# Altium PCB PCB.PcbDoc (part 2 of 2)
Units mm, origin at the board's own origin, x right, y up, seen from the top; angles counter-clockwise.
Board outline 100.25 x 95.41 mm, 2 copper layers (Top Layer, Bottom Layer); 195 components, 140 nets, 719 pads, 378 vias.
Unrouted connection lines stored in the file: 2.
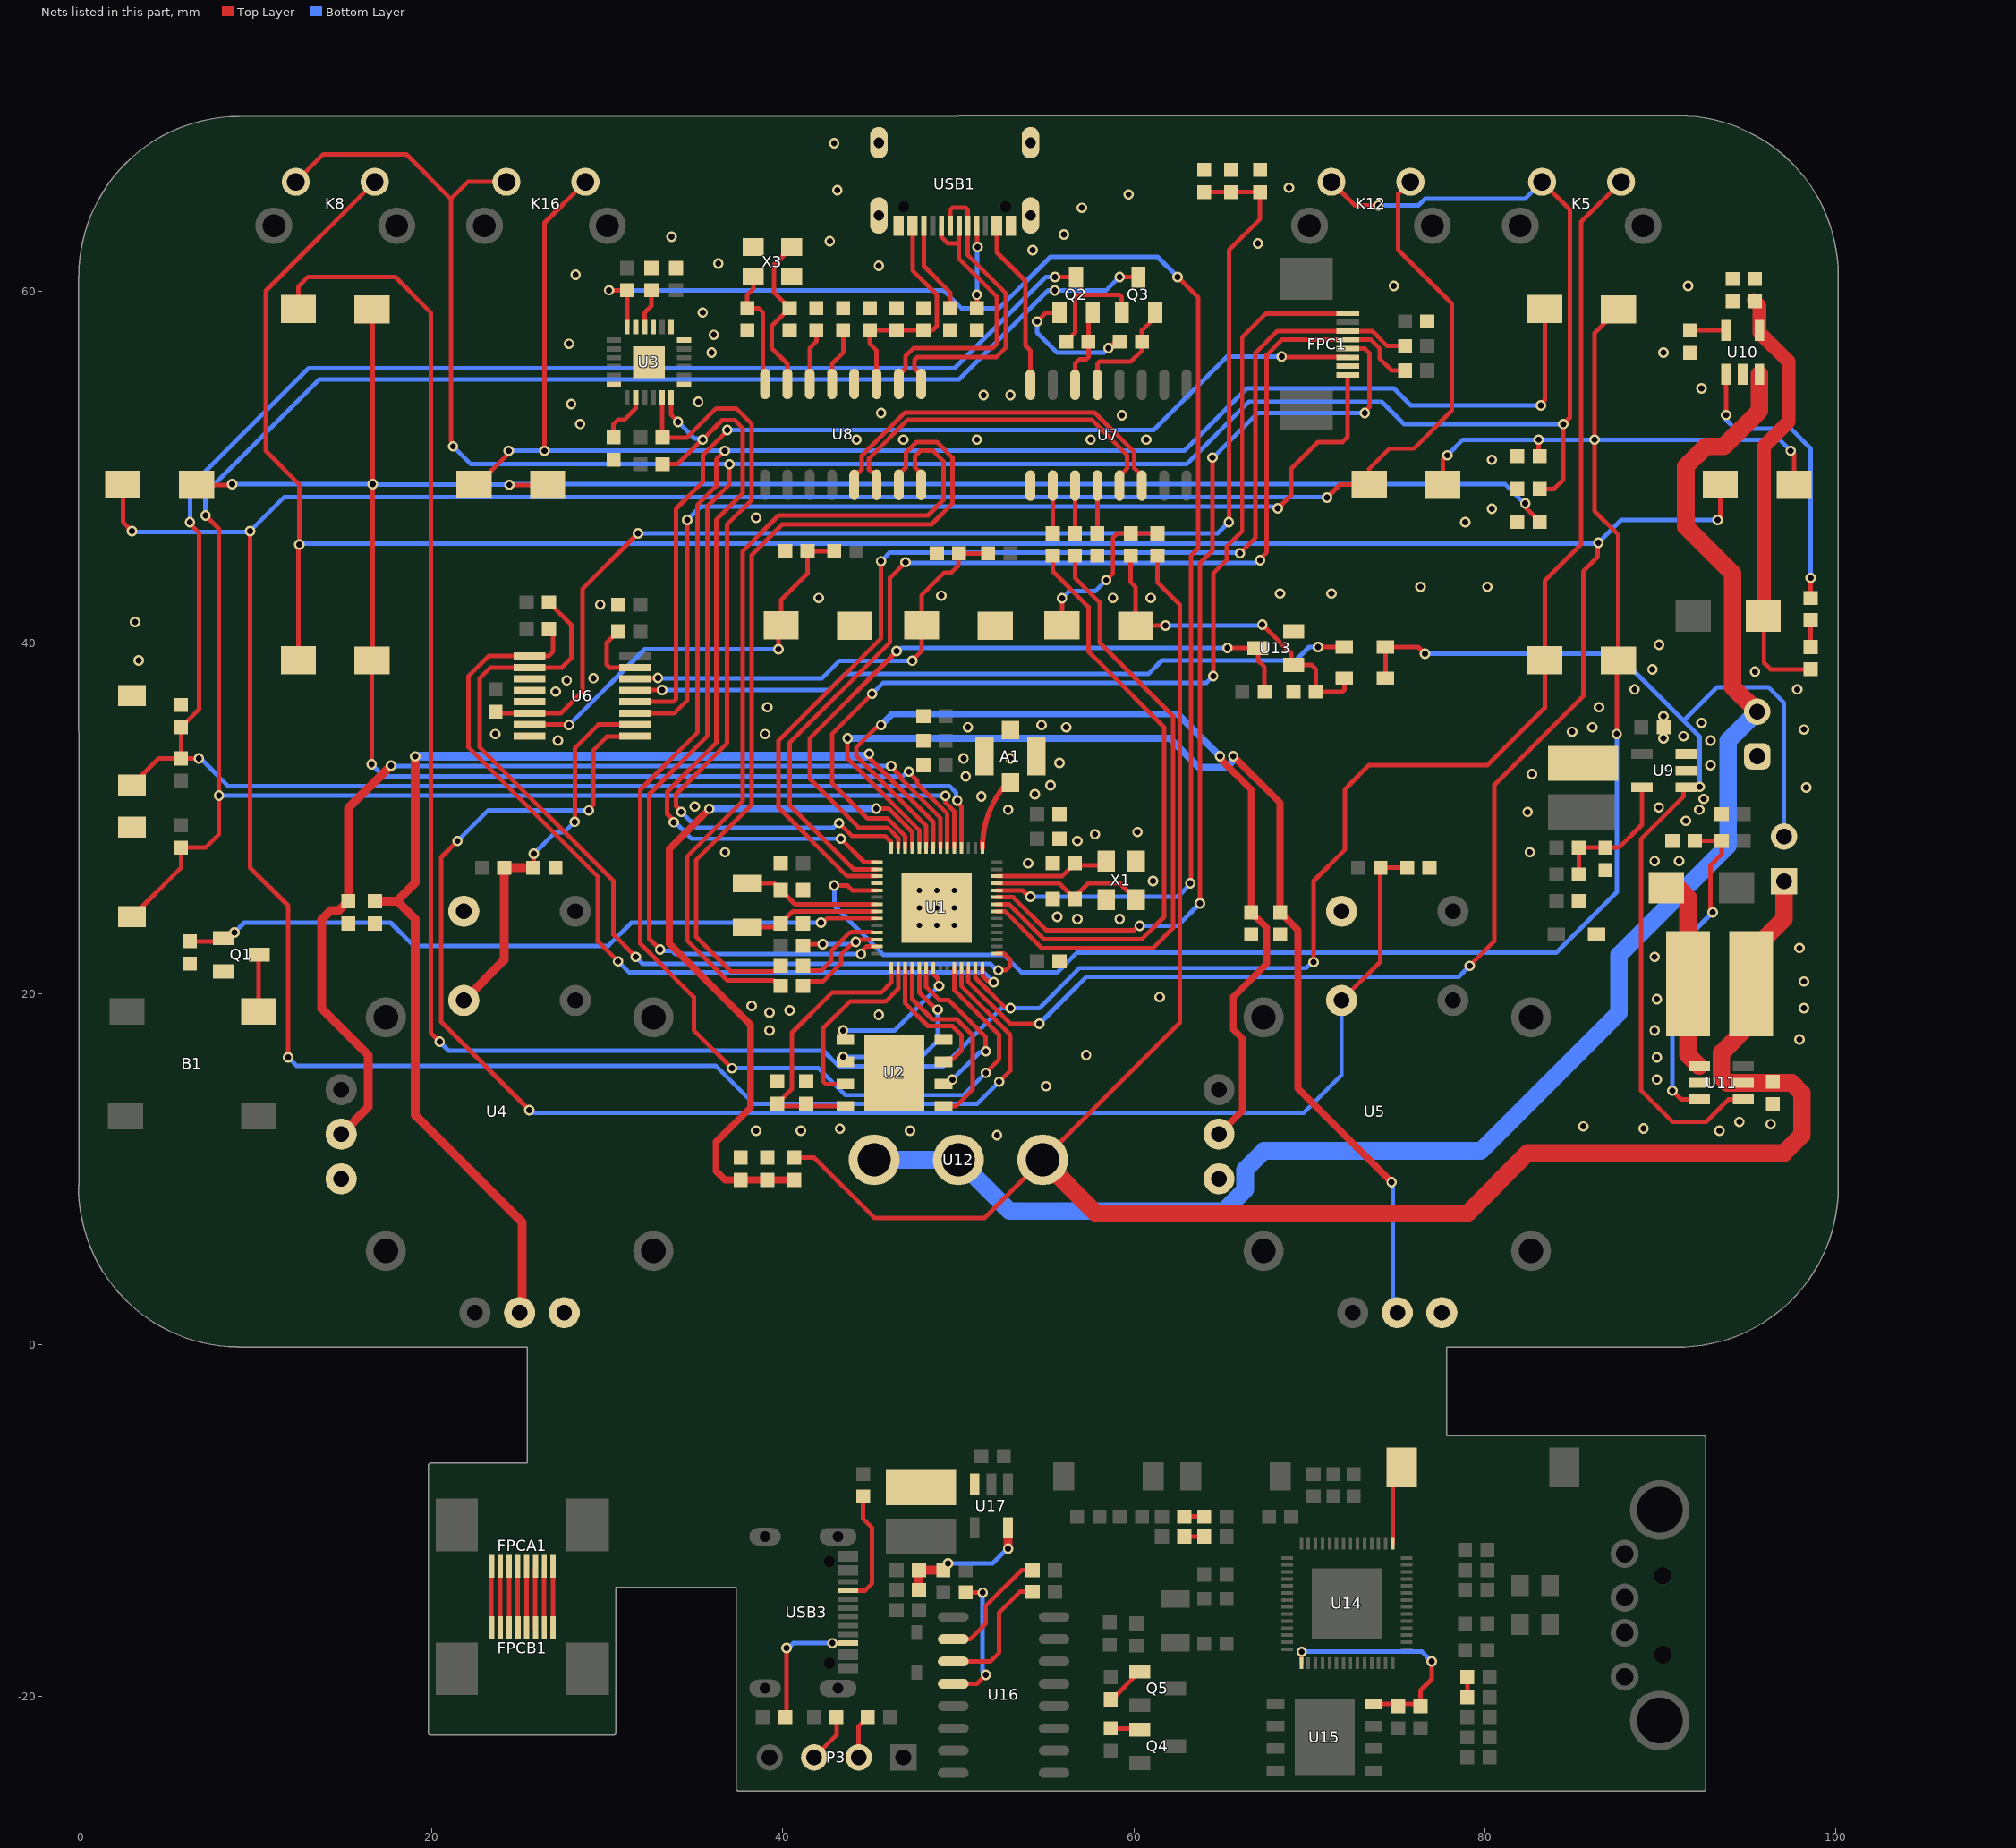
[diagram p2: the nets of this part, all layers, seen from the top]

## Via types
v1: diameter 0.6, hole 0.35, Top Layer to Bottom Layer, tented both sides, 343 vias
v2: diameter 0.8, hole 0.5, Top Layer to Bottom Layer, tented both sides, 16 vias
v3: diameter 0.61, hole 0.305, Top Layer to Bottom Layer, 9 vias
v4: diameter 0.61, hole 0.305, Top Layer to Bottom Layer, tented both sides, 9 vias
v5: diameter 1.27, hole 0.711, Top Layer to Bottom Layer, tented both sides, 1 vias

## Nets (pads, with @x,y where several pads share a name; then routed paths per layer and width w, separated by ;. In a path a pad name is that pad's centre, name@x,y a point inside that pad or via, vN(x,y) a via of type N, cw(c..) or ccw(c..) an arc to the next point about the centre after c; other vN are vias at no path point) (continued)
ADC_BAT: C47.2 R34.1 R37.2 U1.11 | length 42
  Top Layer w0.254: v1(45.318,30.547) 46.029,30.547 47.368,29.208 U1.11@47.368,28.299
  Top Layer w0.4: v1(35.814,30.533) 35.162,29.881 33.528,28.247 33.528,22.86 38.153,18.235 38.153,16.16 38.153,13.515 36.195,11.557 36.195,9.906 36.703,9.398 C47.2@37.592,9.398 R37.2@39.116,9.398 R34.1@40.64,9.398
  Bottom Layer w0.4: v1(35.814,30.533) 35.828,30.547 v1(45.318,30.547)
ADC_LX: C27.2 U1.7 U4.6 | length 59
  Top Layer w0.254: v1(46.172,32.97) 46.172,32.908 46.695,32.385 46.695,32.299 48.968,30.026 U1.7@48.968,28.299
  Top Layer w0.5: U4.6@14.84,12 16.383,13.543 16.383,16.51 13.733,19.16 13.733,24.232 14.255,24.755 14.722,24.755 C27.2@15.24,25.273 15.24,30.566 v1(17.673,33)
  Bottom Layer w0.254: v1(17.673,33) 17.704,32.969 v1(46.172,32.97) v1(46.172,32.97)
ADC_LY: C29.2 U1.8 U4.9 | length 69.2
  Top Layer w0.254: v1(44.912,33.668) 44.978,33.602 44.978,33.381 48.568,29.791 U1.8@48.568,28.299
  Top Layer w0.5: C29.2@16.764,25.273 18.001,25.273 ; v1(19.05,33.523) 19.05,26.322 18.001,25.273 ; U4.9@25,1.84 25.146,1.986 25.146,6.985 19.05,13.081 19.05,24.257 18.034,25.273 18.001,25.273
  Bottom Layer w0.5: v1(19.05,33.523) 44.74,33.523 44.885,33.668 v1(44.912,33.668)
ADC_RX: C28.2 U1.9 U5.6 | length 54.1
  Top Layer w0.254: v1(45.593,35.306) 45.499,35.306 45.341,35.148 45.296,35.148 44.196,34.048 44.196,33.528 48.168,29.556 U1.9@48.168,28.299
  Top Layer w0.4: U5.6@64.84,12 66.167,13.327 66.167,17.463 65.659,17.971 65.659,19.812 67.564,21.717 67.564,23.749 C28.2@66.675,24.638 66.675,31.625 64.897,33.403 v1(64.897,33.528)
  Bottom Layer w0.4: v1(45.593,35.306) 45.596,35.306 46.231,35.941 62.484,35.941 v1(64.897,33.528)
ADC_RY: C30.2 U1.10 U5.9 | length 66.6
  Top Layer w0.254: v1(43.688,34.544) 43.683,34.539 43.683,33.406 47.768,29.321 U1.10@47.768,28.299
  Top Layer w0.4: v1(65.659,33.528) 68.326,30.861 C30.2@68.326,24.638 69.342,23.622 69.342,14.605 v1(74.676,9.271)
  Bottom Layer w0.254: v1(74.676,9.271) 74.742,9.205 74.742,2.098 U5.9@75,1.84
  Bottom Layer w0.4: v1(43.688,34.544) 62.05,34.544 63.701,32.893 65.278,32.893 65.621,33.236 65.621,33.49 v1(65.659,33.528)
BAT: C45.2 L1.1 P2.1 R34.2 R38.1 U11.5 U12.3 | length 121.5
  Top Layer w0.254: R34.2@40.64,10.668 41.783,10.668 45.212,7.239 51.498,7.239 U12.3@54.8,10.541 62.611,18.352 62.611,42.164 61.341,43.434 R38.1@61.341,44.958
  Top Layer w1: U12.3@54.8,10.541 57.848,7.493 78.994,7.493 82.423,10.922 97.028,10.922 98.044,11.938 98.044,14.351 97.47,14.925 U11.5@94.702,14.925 93.787,14.925 93.472,15.24 93.472,16.637 95.167,18.332 L1.1@95.167,20.574 95.167,22.396 97.028,24.257 P2.1@97.028,26.416
BEEP: Q1.1 R11.1 U1.23 | length 40.8
  Top Layer w0.254: R11.1@6.223,22.987 7.952,22.987 8.394,23.429 8.603,23.429 8.669,23.495 v1(8.763,23.495) ; v1(42.177,24.049) 42.271,24.049 42.514,24.292 U1.23@45.361,24.292
  Bottom Layer w0.254: v1(8.763,23.495) 9.317,24.049 17.653,24.049 18.969,22.733 30.053,22.733 31.369,24.049 v1(42.177,24.049)
CH340_N: U7.6 U8.5 | length 21.4
  Top Layer w0.254: U8.5@44.069,48.992 44.069,49.502 44.294,49.727 44.353,49.727 44.502,49.876 44.502,50.661 46.95,53.109 57.755,53.109 60.019,50.845 60.019,49.935 60.452,49.502 U7.6@60.452,48.943
CH340_P: U7.5 U8.6 | length 20.1
  Top Layer w0.254: U8.6@45.339,48.992 45.339,49.502 45.114,49.727 45.055,49.727 44.906,49.876 44.906,50.494 47.117,52.705 57.587,52.705 59.615,50.677 59.615,49.935 59.182,49.502 U7.5@59.182,48.943
CHIP_PU: C14.2 K2.1 Q2.3 R4.1 U1.4 | length 123.2
  Top Layer w0.254: K2.1@2.921,31.877 4.445,33.401 R4.1@5.715,33.401 ; v1(6.223,46.863) 6.223,46.769 6.731,46.261 6.731,36.195 C14.2@5.715,35.179 R4.1@5.715,33.401 ; v1(6.731,33.401) R4.1@5.715,33.401 ; v1(49.937,31.005) 49.937,30.912 50.168,30.68 U1.4@50.168,28.299 ; v1(55.499,60.833) 55.511,60.821 Q2.3@56.701,60.821
  Bottom Layer w0.254: v1(6.223,46.863) 6.223,48.873 12.976,55.626 49.784,55.626 54.991,60.833 v1(55.499,60.833) ; v1(6.731,33.401) 6.825,33.401 8.394,31.831 47.629,31.831 49.492,31.831 49.87,31.453 49.87,31.072 v1(49.937,31.005)
DTR: Q3.2 R22.1 U7.13 | length 6.5
  Top Layer w0.254: U7.13@57.912,54.689 57.912,55.88 58.039,56.007 59.817,56.007 60.452,56.642 R22.1@60.452,57.15 60.452,57.785 61.214,58.547 Q3.2@61.214,58.801
EN: D4.1 D5.1 P2.2 U9.1 U11.4 | length 65.3
  Top Layer w0.254: D4.1@74.325,37.973 D5.1@74.325,39.751 76.2,39.751 v1(76.581,39.37) ; v1(92.225,31.784) 92.211,31.77 91.455,31.77 91.319,31.634 91.319,31.248 88.9,28.829 88.9,14.478 90.678,12.7 92.583,12.7 93.858,13.975 U11.4@94.702,13.975
  Bottom Layer w0.254: v1(76.581,39.37) 87.503,39.37 91.313,35.56 ; v1(92.225,31.784) 92.225,34.648 91.313,35.56 ; P2.2@97.028,28.956 97.028,36.576 96.139,37.465 93.218,37.465 91.313,35.56
ESP32_N: R3.2 U8.7 | length 49.4
  Top Layer w0.254: R3.2@39.878,21.59 39.605,21.317 39.501,21.317 39.456,21.273 37.041,21.273 35.052,23.261 35.052,27.603 38.227,30.778 38.227,45.002 39.961,46.736 48.47,46.736 49.657,47.923 49.657,50.546 48.768,51.435 47.625,51.435 47.005,50.815 47.005,49.981 46.609,49.584 U8.7@46.609,48.992
ESP32_P: R2.2 U8.8 | length 48.5
  Top Layer w0.254: R2.2@39.878,20.447 39.605,20.72 39.501,20.72 39.456,20.764 36.83,20.764 34.544,23.051 34.544,27.813 37.719,30.988 37.719,45.212 39.751,47.244 48.26,47.244 49.149,48.133 49.149,50.336 48.558,50.927 47.835,50.927 47.513,50.605 47.513,50.002 47.879,49.637 U8.8@47.879,48.992
GND: A1.2 A1.3 A1.4 C1.1 C2.1 C3.1 C4.1 C5.1 C6.1 C7.1 C8.1 C9.1 C10.1 C11.1 C12.1 C13.1 C14.1 C15.1 C16.2 C17.1 C18.2 C19.2 C20.2 C21.1 C22.1 C23.1 C24.1 C25.1 C26.1 C27.1 C28.1 C29.1 C30.1 C31.1 C32.1 C33.1 C34.1 C35.1 C36.1 C37.1 C38.1 C39.2 C40.1 C42.1 C43.1 C44.1 C45.1 C46.1 C47.1 D3.2 FPC1.2 K1.2 K2.2 K9.2 K13.2 P1.1 Q1.2 R11.2 R24.1 R25.1 R27.2 R30.2 R31.1 R35.1 R36.1 R37.1 U1.57 U2.4 U2.9 U3.1 U3.6 U3.7 U3.9 U3.11 U3.18 U4.1 U4.7 U4.10 U5.1 U5.7 U5.10 U6.3 U6.4 U6.5 U6.8 U7.1 U8.12 U9.2 U10.2 U11.2 U13.2 USB1.1 USB1.2 USB1.3 USB1.4 USB1.A1B12 USB1.B1A12 X1.2 X1.4 X3.2 X3.4
  other v1: 52.197,11.938 38.481,12.192 41.021,12.192 47.244,12.192 93.345,12.192 43.248,12.312 89.027,12.319 85.598,12.446 96.266,12.573 94.488,12.7 54.991,14.732 89.789,15.113 89.789,16.383 57.277,16.51 97.917,17.399 39.243,17.907 89.662,17.907 45.466,18.796 39.243,18.923 40.386,19.05 98.171,19.177 38.227,19.304 89.789,19.685 61.468,19.812 98.171,20.701 89.662,22.098 97.917,22.606 56.769,24.257 59.182,24.257 55.626,24.384 61.087,26.416 53.975,27.432 89.662,27.559 91.059,27.559 36.703,28.067 82.55,28.067 56.769,28.702 57.785,29.083 60.198,29.21 91.44,29.845 82.423,30.353 52.832,30.48 92.202,30.48 89.899,30.612 34.983,30.666 92.462,31.097 51.308,31.242 54.356,31.369 98.298,31.75 55.245,31.877 50.419,32.385 82.677,32.512 92.837,33.02 55.753,33.147 50.292,33.401 52.959,33.401 27.178,34.417 92.837,34.417 90.17,34.544 91.313,34.671 23.622,34.798 38.989,34.798 84.963,34.925 98.171,35.052 50.546,35.179 56.134,35.179 86.106,35.179 54.737,35.306 92.329,35.433 90.17,35.814 39.116,36.322 86.487,36.322 27.051,37.211 88.519,37.338 97.79,37.338 27.686,37.846 29.21,37.973 95.377,38.354 89.535,38.481 3.302,38.989 89.916,39.878 3.103,41.178 29.591,42.164 42.037,42.545 58.801,42.545 60.96,42.545 49.022,42.672 68.326,42.799 71.247,42.799 76.327,43.18 80.137,43.18 78.867,46.863 38.481,47.117 80.391,47.625 80.391,50.419 44.196,51.562 46.863,51.562 51.054,51.562 57.531,51.562 60.706,51.562 28.448,52.451 59.309,52.959 45.593,53.086 27.94,53.594 35.179,53.721 51.435,54.102 52.959,54.102 92.329,54.483 35.941,56.515 90.17,56.515 27.813,57.023 36.068,57.531 35.433,58.801 74.803,60.325 91.567,60.325 28.194,60.96 45.466,61.468 36.322,61.595 54.229,62.357 67.056,62.738 42.672,62.865 33.655,63.119 56.007,63.246 57.023,64.77 59.69,65.532 43.098,65.774 68.834,65.913 42.926,68.453
  other v4: 47.768,23.892 48.768,23.892 49.768,23.892 47.768,24.891 48.768,24.892 49.768,24.892 47.768,25.892 48.768,25.892 49.768,25.892
GPIO0: K1.1 Q3.3 R5.1 U1.5 | length 130.2
  Top Layer w0.254: K1.1@2.921,24.384 5.715,27.178 R5.1@5.715,28.321 7.112,28.321 7.874,29.083 7.874,31.277 v1(7.879,31.282) ; v1(7.112,47.244) 7.874,46.482 v1@7.874,31.288 ; v1@49.262,31.277 49.262,30.897 49.768,30.39 U1.5@49.768,28.299 ; v1(59.182,60.833) 59.194,60.821 Q3.3@60.259,60.821
  Bottom Layer w0.254: v1(7.112,47.244) 7.112,48.514 13.589,54.991 50.038,54.991 55.118,60.071 v1@55.499,60.071 ; v1(7.879,31.282) 7.882,31.28 49.26,31.28 v1(49.262,31.277) ; v1(55.487,60.069) 58.418,60.069 v1(59.182,60.833)
IIC2_SCL: R6.2 U1.14 U3.23 | length 45.7
  Top Layer w0.254: U3.23@33.123,53.975 33.123,51.713 R6.2@33.147,51.689 34.544,51.689 36.195,53.34 37.338,53.34 38.227,52.451 38.227,48.138 36.83,46.741 36.83,34.29 33.909,31.369 33.909,30.681 34.204,30.387 v1(34.204,30.36) ; v1(43.201,29.718) 43.938,28.981 45.822,28.981 46.168,28.635 U1.14@46.168,28.299
  Bottom Layer w0.254: v1(34.204,30.36) 35.11,29.453 42.88,29.453 43.145,29.718 v1(43.201,29.718)
IIC2_SDA: R7.2 U1.15 U3.24 | length 46.1
  Top Layer w0.254: R7.2@33.147,50.165 33.99,50.165 35.387,51.562 v1(35.433,51.562) 36.541,52.67 37.256,52.67 37.719,52.207 37.719,48.514 36.195,46.99 36.195,34.29 33.401,31.496 33.401,30.242 33.783,29.86 v1(33.783,29.767) ; U3.24@33.623,53.975 33.623,52.991 v1@34.036,52.578 ; v1(43.307,28.829) 44.644,27.492 U1.15@45.361,27.492
  Bottom Layer w0.254: v1(33.783,29.767) 33.86,29.767 34.798,28.829 v1(43.307,28.829) ; v1(34.031,52.575) 34.977,51.628 35.367,51.628 v1(35.433,51.562)
IIC_SCL: R17.2 U1.42 U6.1 | length 49.7
  Top Layer w0.254: R17.2@26.67,40.767 26.913,40.524 26.913,39.497 26.648,39.232 U6.1@25.575,39.232 23.23,39.232 22.098,38.1 22.098,34.036 29.464,26.67 29.464,22.987 v1(30.607,21.844) ; U1.42@51.368,21.484 51.368,21.022 51.661,20.729 51.936,20.729 v1(52.003,20.663)
  Bottom Layer w0.254: v1(30.607,21.844) 31.242,21.209 51.456,21.209 v1(52.003,20.663)
IIC_SDA: R16.2 U1.43 U6.2 | length 52
  Top Layer w0.254: R16.2@26.67,42.291 27.94,41.021 27.94,39.112 27.41,38.582 U6.2@25.575,38.582 23.342,38.582 22.733,37.973 22.733,34.036 30.353,26.416 30.353,23.368 v1(31.623,22.098) ; U1.43@52.176,22.292 52.597,22.292 52.959,21.93 52.959,21.59 52.705,21.336 v1(52.277,21.336)
  Bottom Layer w0.254: v1(31.623,22.098) 32.004,21.717 51.803,21.717 52.184,21.336 v1(52.277,21.336)
IO_N: R3.1 U1.25 | length 5.3
  Top Layer w0.254: R3.1@41.148,21.59 41.424,21.314 42.186,21.314 42.769,21.897 42.769,22.448 43.816,23.496 43.91,23.496 43.921,23.507 U1.25@45.085,23.507
IO_P: R1.2 R2.1 U1.26 | length 8.4
  Top Layer w0.254: R2.1@41.148,20.447 41.421,20.72 42.31,20.72 43.307,21.717 43.307,22.225 43.865,22.783 43.887,22.783 44.057,22.953 v1(44.15,22.953) 44.244,22.953 44.383,23.092 U1.26@45.085,23.092 ; R1.2@41.148,22.733 41.24,22.825 v1(42.274,22.825)
  Bottom Layer w0.254: v1(42.274,22.825) 44.023,22.825 v1(44.15,22.953)
KET_y: K14.1 K15.1 K16.1 U1.38 | length 147.5
  Top Layer w0.254: K14.1@22.4,49 22.6,49 v1@24.318,50.718 ; v1(26.416,50.927) 26.416,63.916 K16.1@28.75,66.25 ; v1(36.686,50.927) 36.195,50.436 36.195,48.905 35.128,47.838 35.128,34.874 31.877,31.623 31.877,22.86 34.925,19.812 34.925,17.928 v1(37.095,15.759) ; U1.38@49.768,21.484 49.768,20.209 52.324,17.653 52.324,16.256 v1(51.562,15.494) ; v1(83.185,53.514) 83.185,53.607 83.4,53.822 K15.1@83.4,59
  Bottom Layer w0.254: v1(24.384,50.927) 62.865,50.927 66.421,54.483 74.803,54.483 75.772,53.514 v1(83.185,53.514) ; v1(37.095,15.759) 42.026,15.759 43.561,14.224 50.292,14.224 v1(51.562,15.494)
KEY_1: C24.2 R14.1 U4.3 U6.10 | length 22.2
  Top Layer w0.254: C24.2@25.781,27.178 25.814,27.211 v1(25.814,27.973) ; v1(28.141,29.792) 28.141,33.983 29.49,35.332 U6.10@31.575,35.332
  Top Layer w0.5: U4.3@21.825,19.62 24.13,21.925 R14.1@24.13,27.178 C24.2@25.781,27.178
  Bottom Layer w0.254: v1(25.814,27.973) 27.051,29.21 27.559,29.21 v1(28.141,29.792)
kEY_2: C25.2 R15.1 U5.3 U6.9 | length 93.7
  Top Layer w0.254: v1(21.463,28.702) 20.528,27.767 20.528,18.4 v1(25.556,13.372) ; v1(28.94,30.438) 28.94,30.49 29.21,30.76 29.21,33.883 29.972,34.645 31.538,34.645 U6.9@31.575,34.682 ; U5.3@71.825,19.62 74.041,21.836 R15.1@74.041,27.178 C25.2@75.565,27.178
  Bottom Layer w0.254: v1(21.463,28.702) 23.199,30.438 v1(28.94,30.438) ; v1(25.556,13.372) 25.72,13.208 69.666,13.208 71.825,15.367 U5.3@71.825,19.62
KEY_a: K3.1 K4.1 K5.1 U1.41 | length 163.4
  Top Layer w0.254: K3.1@12.4,59 12.4,60.279 12.954,60.833 17.907,60.833 19.939,58.801 19.939,17.78 v1(20.447,17.272) ; U1.41@50.968,21.484 50.968,20.914 52.639,19.243 52.914,19.243 v1(52.97,19.188) ; v1(70.231,21.798) 70.231,26.416 72.009,28.194 72.009,31.623 72.217,31.831 72.217,31.852 73.385,33.02 80.137,33.02 83.4,36.283 K4.1@83.4,39 83.4,43.522 85.471,45.593 85.471,63.971 K5.1@87.75,66.25
  Bottom Layer w0.254: v1(20.447,17.272) 20.955,16.764 42.297,16.764 43.205,15.857 49.131,15.857 52.462,19.188 v1(52.97,19.188) ; v1@52.97,19.177 54.61,19.177 56.896,21.463 69.802,21.463 70.137,21.798 v1(70.231,21.798)
KEY_b: K6.1 K7.1 K8.1 U1.40 | length 172.9
  Top Layer w0.254: K6.1@12.4,39 v1@12.4,45.547 ; v1(12.446,45.593) 12.446,49.022 10.541,50.927 10.541,60.041 K8.1@16.75,66.25 ; U1.40@50.568,21.484 50.568,20.679 52.959,18.288 v1(54.61,18.288) ; v1(79.121,21.59) 80.518,22.987 80.518,31.877 85.598,36.957 85.598,44.069 86.418,44.889 86.418,45.651 v1(86.455,45.688) ; v1(93.251,46.99) 93.4,47.139 K7.1@93.4,49
  Bottom Layer w0.254: v1(12.446,45.593) 12.494,45.641 86.408,45.641 87.757,46.99 v1(93.251,46.99) ; v1(54.61,18.288) 56.294,19.972 57.277,20.955 78.486,20.955 v1(79.121,21.59)
KEY_CHA: R32.1 U1.13 U13.3 | length 39.6
  Top Layer w0.254: v1(46.482,39.522) 46.482,39.497 41.529,34.544 41.529,32.258 44.323,29.464 45.974,29.464 46.568,28.87 U1.13@46.568,28.299 ; v1(65.324,39.7) 67.053,39.7 U13.3@67.068,39.685 67.068,38.977 67.437,38.608 R32.1@67.437,37.211
  Bottom Layer w0.254: v1(46.482,39.522) 46.576,39.522 46.754,39.7 47.29,39.7 v1(65.324,39.7)
KEY_CHA_IN: C48.2 D4.2 K17.2 R35.2 U13.1 | length 19.3
  Top Layer w0.254: C48.2@59.817,44.958 59.817,43.434 60.1,43.151 K17.2@60.1,40.97 v1(61.798,40.97) ; v1(67.31,41.021) 68.964,39.367 68.964,38.859 U13.1@69.088,38.735 70.104,38.735 70.358,38.481 R35.2@70.358,37.211 71.882,37.211 71.979,37.308 D4.2@71.979,37.973
  Bottom Layer w0.254: v1(61.798,40.97) 67.259,40.97 v1(67.31,41.021)
KEY_DOWN_1: C21.2 K3.2 K6.2 K10.2 K14.2 U1.6 | length 141.9
  Top Layer w0.254: K10.2@6.6,48.987 v1@8.601,48.987 ; v1(16.571,33.07) 16.571,38.958 16.637,39.024 v1(16.637,49.022) 16.637,58.95 K3.2@16.6,58.987 ; v1(24.419,48.987) K14.2@26.6,48.987 ; v1(47.179,32.655) 47.179,32.623 47.645,32.158 47.645,31.978 49.368,30.255 U1.6@49.368,28.299 ; v1(82.296,47.925) 82.362,47.859 82.362,47.641 C21.2@83.113,46.89
  Bottom Layer w0.254: v1(8.636,49.022) v1(16.637,49.022) 16.654,49.005 24.401,49.005 v1(24.419,48.987) 24.453,49.022 81.153,49.022 82.25,47.925 v1(82.296,47.925) ; v1(16.571,33.07) 17.255,32.385 46.815,32.385 47.085,32.655 v1(47.179,32.655)
KEY_DOWN_2: C22.2 K4.2 K7.2 K11.2 K15.2 U1.19 | length 111.1
  Top Layer w0.254: v1(42.923,26.161) 43.689,26.161 43.958,25.892 U1.19@45.361,25.892 ; K11.2@77.6,48.987 77.6,50.422 v1(77.851,50.673) ; v1(83.058,51.562) 83.058,50.683 C22.2@83.113,50.628 ; v1(87.503,34.798) 87.503,38.89 K4.2@87.6,38.987 87.6,46.131 86.233,47.498 86.233,57.62 K15.2@87.6,58.987 ; v1(97.409,50.927) 97.6,50.736 K7.2@97.6,48.987
  Bottom Layer w0.254: v1@42.926,26.162 42.926,25.019 45.72,22.225 52.578,22.225 53.594,21.209 55.626,21.209 56.769,22.352 84.074,22.352 87.503,25.781 v1(87.503,34.798) ; v1(77.851,50.673) 78.74,51.562 v1(83.058,51.562) v1(86.233,51.562) 96.774,51.562 v1(97.409,50.927)
KEY_DOWN_3: C23.2 K5.2 K8.2 K12.2 K16.2 U1.27 | length 168.9
  Top Layer w0.254: K8.2@12.25,66.25 13.818,67.818 18.542,67.818 21.082,65.278 ; v1(21.209,51.181) 21.143,51.247 21.143,51.442 21.082,51.503 21.082,65.278 ; K16.2@24.25,66.25 22.054,66.25 21.082,65.278 ; v1(33.002,22.518) 32.385,23.135 32.385,31.369 35.687,34.671 35.687,47.752 36.957,49.022 v1(36.957,50.165) ; v1(44.45,22.271) 44.516,22.337 44.516,22.45 44.759,22.692 U1.27@45.361,22.692 ; K12.2@71.25,66.25 72.603,64.897 v1(73.914,64.897) ; C23.2@83.113,48.759 83.938,48.759 84.455,49.276 v1(84.455,52.451) 84.836,52.832 84.836,64.664 K5.2@83.25,66.25
  Bottom Layer w0.254: v1(21.209,51.181) 22.225,50.165 62.992,50.165 66.557,53.73 74.104,53.73 75.382,52.451 v1(84.455,52.451) ; v1(33.002,22.518) 33.069,22.452 33.67,22.452 33.851,22.271 v1(44.45,22.271) ; v1(73.914,64.897) 76.2,64.897 76.581,65.278 82.278,65.278 K5.2@83.25,66.25
KEY_left: K10.1 K11.1 K12.1 U1.39 | length 177
  Top Layer w0.254: K10.1@2.4,49 2.4,46.876 v1(2.921,46.355) ; v1(9.652,46.355) 9.652,27.178 11.811,25.019 v1(11.811,16.383) ; U1.39@50.168,21.484 50.168,20.444 52.959,17.653 52.959,15.621 v1(52.324,14.986) ; v1(70.993,48.26) 71.733,49 K11.1@73.4,49 73.4,49.905 74.549,51.054 75.946,51.054 78.105,53.213 78.105,59.309 75.057,62.357 75.057,65.557 K12.1@75.75,66.25
  Bottom Layer w0.254: v1(2.921,46.355) 2.967,46.309 9.606,46.309 11.578,48.281 70.972,48.281 v1(70.993,48.26) ; v1(11.811,16.383) 12.294,15.9 36.17,15.9 38.354,13.716 51.054,13.716 v1(52.324,14.986)
KEY_select: C18.1 K9.1 R9.2 U6.7 | length 23.8
  Top Layer w0.254: U6.7@25.575,35.332 27.787,35.332 v1(27.813,35.306) ; v1(39.751,39.624) 39.751,40.834 K9.1@39.9,40.983 39.9,42.44 41.402,43.942 C18.1@41.402,45.212 R9.2@42.926,45.212
  Bottom Layer w0.254: v1(27.813,35.306) 32.131,39.624 v1(39.751,39.624)
KEY_start: C19.1 K13.1 R10.2 U6.14 | length 25.3
  Top Layer w0.254: U6.14@31.575,37.932 31.608,37.965 32.851,37.965 v1(32.884,37.998) ; v1(47.364,38.968) 47.9,39.504 47.9,42.693 49.2,43.993 49.6,43.993 50,44.393 50,45.047 C19.1@50.038,45.085 R10.2@51.689,45.085
  Bottom Layer w0.254: v1(32.884,37.998) 32.91,37.973 42.227,37.973 43.222,38.968 v1(47.364,38.968)
KEY_USB: C46.2 R19.2 R33.1 R36.2 U6.6 | length 72.5
  Top Layer w0.254: R19.2@23.622,36.068 23.708,35.982 U6.6@25.575,35.982 27.346,35.982 28.575,37.211 28.575,43.053 v1(31.75,46.228) ; C46.2@64.008,65.659 R33.1@65.532,65.659 R36.2@67.183,65.659 67.183,64.135 65.405,62.357 v1(65.405,46.863)
  Bottom Layer w0.254: v1(31.75,46.228) 64.77,46.228 v1(65.405,46.863)
LCD_LEDA: FPC1.1 U6.11 | length 57.6
  Top Layer w0.254: U6.11@31.575,35.982 33.818,35.982 34.112,36.276 34.544,36.708 34.544,46.977 v1(34.557,46.99) ; v1(68.199,47.652) 68.961,48.414 68.961,49.911 70.485,51.435 71.882,51.435 72.175,51.728 FPC1.1@72.175,55.25
  Bottom Layer w0.254: v1(34.557,46.99) 35.319,47.752 67.877,47.752 67.911,47.718 68.133,47.718 v1(68.199,47.652)
LCD_REST: FPC1.3 U6.12 | length 56
  Top Layer w0.254: U6.12@31.575,36.632 33.76,36.632 33.909,36.781 33.909,47.625 35.433,49.149 35.433,50.673 36.83,52.07 v1(36.83,52.116) ; v1(68.415,56.298) 68.44,56.273 72.152,56.273 FPC1.3@72.175,56.25
  Bottom Layer w0.254: v1(36.83,52.116) 61.133,52.116 65.315,56.298 v1(68.415,56.298)
LCD_RS: FPC1.4 U1.51 | length 53.3
  Top Layer w0.254: U1.51@52.176,25.492 53.121,25.492 54.991,23.622 60.003,23.622 60.257,23.876 v1(60.325,23.876) ; v1(63.759,25.146) 63.759,44.536 64.47,45.247 v1(64.47,50.546) ; FPC1.4@72.175,56.75 72.183,56.742 73.152,56.742 73.406,56.488 73.406,53.408 73.152,53.154 v1(73.152,53.086)
  Bottom Layer w0.254: v1(60.325,23.876) 62.489,23.876 v1(63.759,25.146) ; v1(64.47,50.546) 64.516,50.546 67.056,53.086 v1(73.152,53.086)
MPU_INT: R8.2 U1.52 U3.12 | length 84.3
  Top Layer w0.254: v1(30.099,60.071) R8.2@31.115,60.071 31.123,60.063 U3.12@31.123,57.975 ; U1.52@52.176,25.892 53.643,25.892 54.008,25.527 v1(54.102,25.527) ; v1(62.484,60.833) 63.652,59.665 63.652,45.364 63.246,44.958 63.246,26.33 v1(63.205,26.289)
  Bottom Layer w0.254: v1(30.099,60.071) 49.149,60.071 50.165,59.055 52.324,59.055 55.245,61.976 61.341,61.976 v1(62.484,60.833) ; v1(54.102,25.527) 62.484,25.527 63.205,26.248 v1(63.205,26.289)
NetA1_1: A1.1 U1.1 | length 4.3
  Top Layer w0.3: U1.1@51.368,28.299 cw(c57.017,28.299) A1.1@52.906,32.174
NetB1_2: B1.2 Q1.3 | length 3.2
  Top Layer w0.254: B1.2@10.145,18.982 10.145,22.21 Q1.3@10.16,22.225
NetC16_1: C16.1 U3.20 | length 3
  Top Layer w0.254: C16.1@30.353,51.689 30.353,52.451 30.607,52.705 30.988,52.705 31.623,53.34 U3.20@31.623,53.975
NetC17_2: C17.2 U3.10 | length 2.3
  Top Layer w0.254: U3.10@32.123,57.975 32.123,58.793 32.512,59.182 C17.2@32.512,60.071
NetC35_2: C35.2 U7.4 | length 2.9
  Top Layer w0.254: C35.2@57.912,46.228 U7.4@57.912,48.943 ; C35.2@58.039,46.355 C35.2@58.166,46.228
NetC36_2: C36.2 U8.14 | length 3.2
  Top Layer w0.254: U8.14@41.529,54.737 41.529,56.769 41.91,57.15 C36.2@41.91,57.785
NetC37_2: C37.2 U8.13 | length 3.3
  Top Layer w0.254: U8.13@42.799,54.737 42.799,55.88 43.434,56.515 C37.2@43.434,57.785
NetC41_1: C41.1 R28.2 R30.1 U9.5 | length 7.8
  Top Layer w0.254: C41.1@85.344,26.797 R28.2@85.344,28.321 87.63,28.321 88.94,29.631 U9.5@88.94,31.755
NetC48_1: C48.1 K17.1 R38.2 | length 9.7
  Top Layer w0.254: K17.1@55.9,40.983 v1(55.9,42.525) ; v1(58.42,43.561) 58.801,43.942 58.801,45.974 59.055,46.228 C48.1@59.817,46.228 R38.2@61.341,46.228
  Bottom Layer w0.254: v1(55.9,42.525) 56.301,42.926 57.785,42.926 v1(58.42,43.561)
NetC60_2: C60.2 C61.2 U14.29 U15.8 | length 13.8
  Top Layer w0.254: U14.29@69.536,-18.14 69.536,-17.586 v1@69.596,-17.526 ; U15.8@73.666,-20.447 76.2,-20.447 C61.2@76.327,-20.574 76.327,-19.685 76.962,-19.05 v1(76.962,-18.034)
  Bottom Layer w0.254: v1(69.558,-17.481) 76.409,-17.481 v1(76.962,-18.034)
NetC65_2: C65.2 U16.4 | length 7.8
  Top Layer w0.254: U16.4@49.705,-19.304 51.054,-19.304 v1(51.562,-18.796) ; C65.2@50.419,-14.097 v1@51.435,-14.097
  Bottom Layer w0.254: v1(51.384,-14.114) 51.384,-18.618 v1(51.562,-18.796)
NetC67_1: C67.1 R51.2 R54.1 U17.5 | length 7.5
  Top Layer w0.5: C67.1@47.752,-13.97 R51.2@47.752,-12.827 R54.1@49.149,-12.827 ; U17.5@52.827,-10.414 52.827,-11.598 v1(52.832,-11.603)
  Bottom Layer w0.254: v1(49.403,-12.446) 51.943,-12.446 52.786,-11.603 v1(52.832,-11.603)
NetD2_2: D2.2 L1.2 U11.1 | length 10.7
  Top Layer w1: D2.2@90.996,26.035 91.567,25.464 L1.2@91.567,20.574 91.567,16.51 U11.1@92.202,15.875
NetFPCA1_1: FPCA1.1 FPCB1.8 | length 3.5
  Top Layer w0.254: FPCB1.8@23.396,-16.224 FPCA1.1@23.396,-12.732
NetFPCA1_2: FPCA1.2 FPCB1.7 | length 3.5
  Top Layer w0.254: FPCB1.7@23.896,-16.224 FPCA1.2@23.896,-12.732
NetFPCA1_3: FPCA1.3 FPCB1.6 | length 3.5
  Top Layer w0.254: FPCB1.6@24.396,-16.224 FPCA1.3@24.396,-12.732
NetFPCA1_4: FPCA1.4 FPCB1.5 | length 3.5
  Top Layer w0.254: FPCB1.5@24.896,-16.224 FPCA1.4@24.896,-12.732
NetFPCA1_5: FPCA1.5 FPCB1.4 | length 3.5
  Top Layer w0.254: FPCB1.4@25.396,-16.224 FPCA1.5@25.396,-12.732
NetFPCA1_6: FPCA1.6 FPCB1.3 | length 3.5
  Top Layer w0.254: FPCB1.3@25.896,-16.224 FPCA1.6@25.896,-12.732
NetFPCA1_7: FPCA1.7 FPCB1.2 | length 3.5
  Top Layer w0.254: FPCB1.2@26.396,-16.224 FPCA1.7@26.396,-12.732
NetFPCA1_8: FPCA1.8 FPCB1.1 | length 3.5
  Top Layer w0.254: FPCB1.1@26.896,-16.224 FPCA1.8@26.896,-12.732
NetL2_1: L2.1 U9.3
NetL3_2: L3.2 U14.1 | length 4.6
  Top Layer w0.254: U14.1@74.736,-11.324 74.736,-7.502 L3.2@75.253,-6.985
NetL4_1: L4.1 U17.3
NetLED1_1: LED1.1 R52.2 | length 1.1
  Top Layer w0.25: R52.2@78.994,-20.066 LED1.1@78.994,-18.923
"NetLED 1_1": "LED 1.1" R26.2 | length 1.5
  Top Layer w0.254: R26.2@98.552,39.751 98.552,41.275
"NetLED 1_2": "LED 1.2" U10.1 | length 16.6
  Top Layer w0.254: v1(93.731,52.964) U10.1@93.731,55.285 ; 98.552,42.545 v1(98.552,43.688)
  Bottom Layer w0.254: v1(93.731,52.964) 93.731,52.7 94.234,52.197 97.409,52.197 98.552,51.054 v1(98.552,43.688)
NetP1_2: P1.2 U10.3 U12.1 U12.2 | length 92.6
  Top Layer w1: P1.2@95.504,36.068 94.107,37.465 94.107,43.942 91.44,46.609 91.44,50.038 92.583,51.181 93.599,51.181 95.631,53.213 U10.3@95.631,55.285
  Bottom Layer w1: U12.1@45.2,10.541 U12.2@50,10.541 52.921,7.62 65.108,7.62 66.331,8.843 66.331,9.984 67.396,11.049 79.756,11.049 87.63,18.923 87.63,22.225 93.853,28.448 93.853,34.417 P1.2@95.504,36.068
NetP3_2: P3.2 R45.2 | length 2.5
  Top Layer w0.254: P3.2@44.323,-23.495 44.323,-21.717 R45.2@44.831,-21.209
NetP3_3: P3.3 R44.2 | length 2.8
  Top Layer w0.254: P3.3@41.783,-23.495 43.053,-22.225 R44.2@43.053,-21.209
NetQ2_1: Q2.1 R22.2 | length 7.5
  Top Layer w0.254: v1(54.483,58.293) 54.991,58.801 Q2.1@55.751,58.801 ; v1(58.547,56.769) 58.928,57.15 R22.2@59.182,57.15
  Bottom Layer w0.254: v1(54.483,58.293) 54.483,57.658 55.626,56.515 58.293,56.515 v1(58.547,56.769)
NetQ3_1: Q3.1 R23.2 | length 6.3
  Top Layer w0.254: R23.2@56.134,57.15 56.642,57.658 56.642,59.563 56.896,59.817 59.182,59.817 59.309,59.69 Q3.1@59.309,58.801
NetQ4_1: Q4.1 R55.2 | length 1.7
  Top Layer w0.254: R55.2@58.674,-21.844 60.271,-21.844 Q4.1@60.337,-21.91
NetQ5_1: Q5.1 R56.2 | length 2.3
  Top Layer w0.254: R56.2@58.674,-20.193 58.752,-20.193 Q5.1@60.337,-18.608
NetR18_2: R18.2 U6.15 | length 3.8
  Top Layer w0.254: R18.2@30.607,40.64 29.972,40.005 29.972,38.735 30.125,38.582 U6.15@31.575,38.582
NetR20_1: R20.1 U7.2 | length 2.7
  Top Layer w0.254: R20.1@55.372,46.228 U7.2@55.372,48.943
NetR21_1: R21.1 U7.3 | length 2.7
  Top Layer w0.254: R21.1@56.642,46.228 U7.3@56.642,48.943
NetR24_2: R24.2 USB1.A5 | length 4.7
  Top Layer w0.254: USB1.A5@51.038,63.754 51.061,63.731 51.061,62.569 v1(51.092,62.538) ; R24.2@51.054,59.055 v1(51.054,59.817)
  Bottom Layer w0.254: v1(51.054,59.817) 51.073,59.836 51.073,62.519 v1(51.092,62.538)
NetR25_2: R25.2 USB1.B5 | length 5.3
  Top Layer w0.254: USB1.B5@48.038,63.754 48.038,61.436 49.53,59.944 R25.2@49.53,59.055
NetR27_1: R27.1 U10.5 | length 2
  Top Layer w0.254: R27.1@91.694,57.785 U10.5@93.731,57.785
NetR29_1: R29.1 R31.2 U11.3 | length 18.7
  Top Layer w0.254: v1(90.678,14.478) 91.181,13.975 U11.3@92.202,13.975 ; R31.2@91.948,28.702 R29.1@93.472,28.702 93.472,27.94 92.837,27.305 92.837,24.765 v1(92.964,24.638)
  Bottom Layer w0.254: v1(90.678,14.478) 90.678,22.352 v1(92.964,24.638)
NetR42_2: R42.2 TX1.1 | length 1.1
  Top Layer w0.254: R42.2@62.865,-9.779 TX1.1@64.008,-9.779
NetR43_2: R43.2 RX1.1 | length 1.1
  Top Layer w0.254: R43.2@62.865,-10.922 RX1.1@64.008,-10.922
NetR48_1: R48.1 U16.2 | length 6.7
  Top Layer w0.254: U16.2@49.705,-16.764 50.673,-16.764 51.562,-15.875 51.562,-14.859 53.594,-12.827 R48.1@54.229,-12.827
NetR49_1: R49.1 U16.3 | length 7.5
  Top Layer w0.254: U16.3@49.705,-18.034 51.816,-18.034 52.324,-17.526 52.324,-15.24 53.503,-14.061 R49.1@54.229,-14.061
NetR50_2: R50.2 USB3.A5 | length 6.7
  Top Layer w0.254: USB3.A5@43.714,-13.992 44.682,-13.992 45.085,-13.589 45.085,-10.414 44.577,-9.906 R50.2@44.577,-8.636
NetR53_2: R53.2 USB3.B5 | length 7.7
  Top Layer w0.254: R53.2@40.132,-21.209 40.297,-21.044 40.213,-20.961 v1(40.213,-17.272) ; v1(42.818,-16.992) USB3.B5@43.714,-16.992
  Bottom Layer w0.254: v1(40.213,-17.272) 40.307,-17.272 40.587,-16.992 v1(42.818,-16.992)
POWER_EN: D5.2 U6.13 | length 41.4
  Top Layer w0.254: U6.13@31.575,37.282 31.589,37.296 33.105,37.296 v1(33.119,37.31) ; v1(70.485,39.751) D5.2@71.979,39.751
  Bottom Layer w0.254: v1(33.119,37.31) 42.644,37.31 43.561,38.227 60.833,38.227 61.595,38.989 69.215,38.989 69.977,39.751 v1(70.485,39.751)
RTS: Q2.2 R23.1 U7.14 | length 4.8
  Top Layer w0.254: U7.14@56.642,54.689 56.642,55.88 56.896,56.134 57.277,56.134 57.404,56.261 R23.1@57.404,57.15 57.404,58.549 Q2.2@57.656,58.801
SPI2_CLK: FPC1.6 R12.1 U1.17 | length 65.5
  Top Layer w0.254: U1.17@45.361,26.692 43.666,26.692 39.751,30.607 39.751,34.412 45.593,40.254 v1(45.593,44.636) ; v1(66.04,45.087) 66.929,45.976 66.929,56.515 68.164,57.75 FPC1.6@72.175,57.75 73.568,57.75 74.422,56.896 R12.1@75.438,56.896
  Bottom Layer w0.254: v1(45.593,44.636) 46.088,45.131 65.996,45.131 v1(66.04,45.087)
SPI2_CS0: FPC1.8 U1.12 | length 58.5
  Top Layer w0.254: v1(45.085,37.084) 42.799,34.798 42.799,32.004 44.81,29.993 45.948,29.993 46.968,28.973 U1.12@46.968,28.299 ; v1(64.516,38.1) 64.516,43.942 65.278,44.704 65.278,45.466 66.167,46.355 66.167,57.404 67.513,58.75 FPC1.8@72.175,58.75
  Bottom Layer w0.254: v1(45.085,37.084) 45.72,37.719 64.135,37.719 v1(64.516,38.1)
SPI2_MISO: U1.18
SPI2_MOSI: FPC1.5 R13.1 U1.16 | length 64.5
  Top Layer w0.254: U1.16@45.361,27.092 44.028,27.092 40.386,30.734 40.386,34.301 46.101,40.016 46.101,43.693 46.985,44.577 v1(46.99,44.577) ; v1(67.189,44.698) 67.189,44.772 67.564,45.146 67.564,56.388 68.426,57.25 FPC1.5@72.175,57.25 73.506,57.25 74.016,56.741 74.016,56.159 74.676,55.499 R13.1@75.438,55.499
  Bottom Layer w0.254: v1(46.99,44.577) 47.034,44.533 66.931,44.533 67.096,44.698 v1(67.189,44.698)
SPICLK: U1.33 U2.6 | length 10.4
  Top Layer w0.254: U1.33@47.768,21.484 47.768,20.071 48.743,19.096 v1(48.828,19.096)
  Bottom Layer w0.254: v1(43.434,16.411) 47.907,16.411 48.828,17.332 v1(48.828,19.096)
SPICS0: U1.32 U2.1 | length 11.2
  Top Layer w0.254: U1.32@47.368,21.484 47.368,19.688 48.514,18.542 49.911,18.542 50.8,17.653 50.8,14.538 49.85,13.589 U2.1@49.155,13.589
SPID: U1.35 U2.5 | length 7.7
  Top Layer w0.254: U1.35@48.568,21.484 48.568,21.129 48.845,20.852 48.845,20.497 v1(48.895,20.447)
  Bottom Layer w0.254: v1(43.434,17.907) 46.355,17.907 v1(48.895,20.447)
SPIHD: U1.30 U2.7 | length 10.8
  Top Layer w0.254: U2.7@43.555,14.859 42.446,14.859 42.297,15.008 42.297,18.04 43.815,19.558 45.847,19.558 46.568,20.279 U1.30@46.568,21.484
SPIQ: U1.34 U2.2 | length 9
  Top Layer w0.254: U1.34@48.168,21.484 48.168,20.39 48.909,19.65 49.433,19.65 51.562,17.521 v1(51.562,16.724)
  Bottom Layer w0.254: v1(49.657,15.113) 51.202,16.658 51.496,16.658 v1(51.562,16.724)
SPIWP: U1.31 U2.3 | length 8.1
  Top Layer w0.254: U1.31@46.968,21.484 46.968,19.453 48.26,18.161 49.657,18.161 50.165,17.653 50.165,16.764 49.703,16.302 49.328,16.302 U2.3@49.155,16.129
U0RXD: R20.2 U1.50 | length 34.1
  Top Layer w0.254: U1.50@52.176,25.092 52.886,25.092 54.864,23.114 60.452,23.114 61.722,24.384 61.722,35.179 58.166,38.735 57.404,39.497 57.404,42.037 55.372,44.069 R20.2@55.372,44.958
U0TXD: R21.2 U1.49 | length 34.9
  Top Layer w0.254: U1.49@52.176,24.692 52.651,24.692 54.737,22.606 61.087,22.606 62.23,23.749 62.23,35.814 58.039,40.005 58.039,42.291 56.642,43.688 R21.2@56.642,44.958
"USB 5V": C33.2 C34.2 C38.2 C43.2 C44.2 D1.2 R26.1 R33.2 U7.16 U8.11 U10.4 USB1.A4B9 USB1.B4A9 | length 48.1
  Top Layer w0.253: C38.2@44.958,57.785 C34.2@46.482,57.785 C33.2@48.006,57.785 48.514,57.785 48.768,58.039 48.768,59.817 47.388,61.197 USB1.B4A9@47.388,63.754 ; USB1.A4B9@52.188,63.754 52.188,62.23 53.819,60.599 53.819,56.925 54.102,56.642 U7.16@54.102,54.689
  Top Layer w0.254: C38.2@44.958,57.785 44.958,57.023 45.339,56.642 U8.11@45.339,54.737 ; D1.2@95.885,41.561 95.885,38.862 96.266,38.481 R26.1@98.552,38.481
  Top Layer w0.8: C44.2@95.308,59.505 C44.2@95.377,59.436 95.631,59.182 U10.4@95.631,57.785 95.631,57.658 97.282,56.007 97.282,52.578 95.885,51.181 D1.2@95.885,41.561
USB_N: U8.9 USB1.A7 USB1.B7 | length 17.5
  Top Layer w0.254: U8.9@47.879,54.737 47.879,55.25 47.498,55.631 47.498,56.112 47.647,56.261 52.155,56.261 52.705,56.811 52.705,59.9 50.538,62.067 50.538,62.738 USB1.B7@50.538,63.754 50.538,64.651 50.419,64.77 49.657,64.77 49.53,64.643 USB1.A7@49.53,64.008
USB_P: U8.10 USB1.A6 USB1.B6 | length 16.7
  Top Layer w0.254: U8.10@46.609,54.737 46.609,55.25 46.99,55.631 46.99,56.323 47.436,56.769 51.944,56.769 52.197,57.022 52.197,59.69 50.03,61.857 50.03,62.738 ; USB1.B6@49.038,63.754 49.038,63.103 49.403,62.738 50.03,62.738 ; USB1.A6@50.03,63.754 50.03,62.738
VDD_SPI: C12.2 C13.2 U1.29 U2.8 | length 16.1
  Top Layer w0.254: U2.8@43.555,13.589 41.33,13.589 39.679,13.589 C13.2@39.679,13.744 40.513,14.579 40.513,17.78 42.799,20.066 45.593,20.066 46.168,20.641 U1.29@46.168,21.484
XH32_N: C9.2 U1.22 X2.2 | length 7.8
  Top Layer w0.254: X2.2@37.973,23.789 39.537,23.789 39.878,24.13 40.005,24.13 40.151,24.276 40.567,24.692 43.203,24.692 U1.22@45.361,24.692
XH32_P: C8.2 U1.21 X2.1 | length 7.9
  Top Layer w0.254: X2.1@37.973,26.289 39.497,26.289 C8.2@39.878,25.908 40.694,25.092 43.306,25.092 U1.21@45.361,25.092
XH_N: C2.2 U1.53 X1.3 | length 9
  Top Layer w0.254: U1.53@52.176,26.292 55.75,26.292 C2.2@56.642,25.4 ; C2.2@56.642,25.527 57.404,26.289 59.19,26.289 X1.3@60.12,25.359
XH_P: C1.2 U1.54 X1.1 | length 6.7
  Top Layer w0.254: U1.54@52.176,26.692 55.902,26.692 C1.2@56.642,27.432 ; C1.2@56.642,27.305 58.166,27.305 X1.1@58.42,27.559
XIN: C31.2 U8.16 X3.1 | length 7
  Top Layer w0.254: X3.1@38.313,60.833 38.313,60.157 37.973,59.817 C31.2@37.973,59.055 38.608,59.055 38.862,58.801 38.862,54.864 U8.16@38.989,54.737
XOUT: C32.2 U8.15 X3.3 | length 9.4
  Top Layer w0.254: U8.15@40.259,54.737 40.259,55.88 39.37,56.769 39.37,58.039 C32.2@40.386,59.055 39.497,59.944 39.497,61.517 X3.3@40.513,62.533
pads on no net: B1.3 FPC1.9 FPC1.10 FPCA1.9 FPCA1.10 FPCB1.9 FPCB1.10 K5.3 K5.4 K8.3 K8.4 K12.3 K12.4 K16.3 K16.4 U1.24 U1.28 U1.36 U1.37 U1.44 U1.45 U1.47 U1.48 U3.2 U3.3 U3.4 U3.5 U3.14 U3.15 U3.16 U3.17 U3.19 U3.21 U3.22 U4.2 U4.4 U4.MOUNT1 U4.MOUNT2 U4.MOUNT3 U4.MOUNT4 U5.2 U5.4 U5.MOUNT1 U5.MOUNT2 U5.MOUNT3 U5.MOUNT4 U7.7 U7.8 U7.9 U7.10 U7.11 U7.12 U7.15 U8.1 U8.2 U8.3 U8.4 U11.6 U14.7 U14.9 U14.10 U14.11 U14.12 U14.13 U14.14 U14.15 U14.16 U14.17 U14.18 U14.19 U14.23 U14.24 U14.27 U14.28 U14.36 U14.37 U14.38 U14.39 U14.40 U14.41 U14.42 U14.43 U14.44 U14.45 U14.47 U14.48 U14.51 U14.52 U16.7 U16.8 U16.9 U16.10 U16.11 U16.12 U16.15 USB1. USB1.A8 USB1.B8 USB2. USB2.MH1 USB2.MH2 USB3. USB3.A8 USB3.B8

## Polygon pours and split planes (outlines as drawn)
_GND on Top Layer "_GND_L01_P004" (solid, remove dead copper, pour order 4): 37.465,-5.4 37.658,-5.207 92.583,-5.207 92.583,-25.273 92.456,-25.4 37.338,-25.4
GND on Top Layer "GND_L01_P003" (solid, remove dead copper, pour order 3): 31.623,0 32.131,0 42.545,0 91,0 ccw(c91,9) 100,9 100,60.895 ccw(c91.011,60.895) 91.011,69.884 9,69.85 9.017,69.85 ccw(c9.017,60.85) 0.017,60.85 0,60.833 0.02,9.017 0,9.017 ccw(c9,9.017) 9,0.017 9,0
"USB 5V" on Top Layer "USB_5V_L01_P000" (solid, remove dead copper, pour order 0): 46.355,63.881 53.213,63.881 53.213,64.135 55.88,66.802 88.011,66.802 94.361,60.452 99.187,60.452 99.568,60.833 99.568,64.643 95.123,69.088 48.514,69.088 46.355,66.929
_GND on Bottom Layer "_GND_L02_P005" (solid, remove dead copper, pour order 5): 37.465,-5.4 37.658,-5.207 92.583,-5.207 92.583,-25.273 92.456,-25.4 37.338,-25.4
GND on Bottom Layer "GND_L02_P002" (solid, remove dead copper, pour order 2): 0,9.017 ccw(c9,9.017) 9,0.017 9,0 91.059,0 91,0 ccw(c91,9) 100,9 100,60.895 ccw(c91.011,60.895) 91.011,69.884 9,69.85 9.017,69.85 ccw(c9.017,60.85) 0.017,60.85 0,60.833
no net on Top Solder "NONET_L-01_P-001" (solid): 91.821,62.6 89.152,62.6 89.152,56.132 88.265,55.245 86.487,55.245 86.487,47.625 87.884,46.228 87.884,42.418 90.043,42.418 91.694,44.069 91.694,45.085 90.551,46.228 90.551,50.546 90.805,50.546 93.356,53.097 93.356,54.585 93.116,54.585 92.202,55.499 91.059,55.499 90.678,55.88 90.678,58.42 91.186,58.928 93.085,58.928 93.085,61.335
no net on Bottom Solder "NONET_L-01_P-001" (solid): 100,62.013 81.19,62.013 79.248,60.071 79.248,55.118 80.137,54.229 84.836,54.229 86.487,52.578 91.694,52.578 92.583,53.467 99.949,53.467 100,53.518

## Keep-outs
Keep-Out Layer:
  circle w0.1: c84.582,-22.606 r2
  circle w0.1: c40.259,-8.001 r2
  circle w0.15: c84.582,-22.606 r1.2
  circle w0.15: c40.259,-8.001 r1.2
  circle w0.1: c95,65 r2
  circle w0.1: c95,5 r2
  circle w0.1: c5,5 r2
  circle w0.1: c5,65 r2
  circle w0.15: c95,65 r1.2
  circle w0.15: c95,5 r1.2
  circle w0.15: c5,5 r1.2
  circle w0.15: c5,65 r1.2
  lines w0.254: 0,9.017 ccw(c9,9.017) 9,0.017 ; 0,60.833 0.02,9.017 ; 0.017,60.85 cw(c9.017,60.85) 9.017,69.85 ; 9,0 25.559,0 25.559,-6.858 19.939,-6.858 19.939,-22.098 30.353,-22.098 30.353,-13.684 37.433,-13.684 ; 9,69.85 91.011,69.884 cw(c91.011,60.895) 100,60.895 100,9 cw(c91,9) 91,0 ; 37.465,-13.716 37.465,-25.273 92.456,-25.273 92.456,-5.302 77.692,-5.302 77.692,0 91.313,0 ; 54.674,0 30.353,0 27.559,0 27.559,-6.858 30.353,-6.858 30.353,-11.684 37.465,-11.684 37.465,-5.4 54.703,-5.4 ; 54.769,-5.334 54.769,-0.095 ; 75.56,-5.334 56.769,-5.334 56.769,0 75.692,0 75.692,-5.334

## Other copper
Top Layer:
  rectangle net "_USB 5V": 41.929,-17.653 42.31,-12.827
  rectangle net "_USB 5V": 42.164,-17.653 43.18,-17.399
  rectangle net "_USB 5V": 42.291,-13.081 43.18,-12.827
  rectangle net NetL4_1: 49.657,-8.382 50.8,-7.366
  rectangle net "USB 5V": 94.996,59.817 95.758,60.325
  rectangle net NetL2_1: 90.424,33.401 92.075,33.909
  rectangle net NetL2_1: 89.662,32.131 90.678,33.909
  rectangle net NetL2_1: 87.503,32.131 90.17,33.274
  pour cut-out: 74.296,-5.542 74.296,-11.177 74.93,-11.811 87.641,-11.811 88.138,-11.314 88.138,-5.334
Bottom Layer:
  pour cut-out: 74.169,-5.622 74.295,-5.748 74.295,-9.398 74.625,-9.398 77.165,-11.938 87.884,-11.938 87.884,-5.207 87.63,-5.461 74.422,-5.461

## Silkscreen, mask and mechanical layers (free items; w line width, h text height)
Top Overlay:
  circle w0.254: c14.5,49 r1.27
  lines w0.254: 4.5,49 24.5,49 ; 8.382,57.023 9.525,58.166 ; 9.525,53.594 9.525,58.166 ; 10.668,57.023 9.525,58.166 ; 14.5,39 14.5,59 ; 16.75,66.25 28.75,66.25 ; 25,12 75,12 ; 42,40.983 50,40.983 58,40.983 ; 50,64.897 50,69.897 ; 75.75,66.25 87.75,66.25 ; 88.552,-15.4 92.465,-15.4
  text "RST" at 1.143,38.251 h2
  text "+ -" at 96.52,36.703 h1.52 r270
  text "REMOTE v1.3.1" at 9.652,31.785 h3
  text "2024/9/1" at 9.652,29.245 h3
  text "IO0" at 1.216,22.133 h2
  text "ON" at 57.023,2.575 h3
  text "OFF" at 37.846,2.448 h3
Bottom Overlay:
  text "+ -" at 89.789,36.83 h1.52 r270
  text "REMOTE_RECV v1.3.1" at 73.533,-12.169 h3
  text "2024/9/1" at 67.72,-15.865 h3
  text "5V TX RX GND" at 38.465,-20.649 h2 r180
Top Solder:
  circle w1: c84.582,-22.606 r1.5
  circle w1: c40.259,-8.001 r1.5
  circle w1: c95,65 r1.5
  circle w1: c95,5 r1.5
  circle w1: c5,5 r1.5
  circle w1: c5,65 r1.5
Bottom Solder:
  circle w1: c84.582,-22.606 r1.5
  circle w1: c40.259,-8.001 r1.5
  circle w1: c5,65 r1.5
  circle w1: c95,65 r1.5
  circle w1: c95,5 r1.5
  circle w1: c5,5 r1.5
Mechanical 5:
  circle w0.254: c85.5,49 r1.27
  circle w0.254: c50,57 r1.27
  lines w0.254: 37.545,57 62.455,57 ; 50,40.983 50,49.483 ; 50,49.57 50,64.43 ; 75.5,49 95.5,49 ; 85.5,39 85.5,59
Mechanical 13:
  lines w0.254: 37.545,49.57 62.455,49.57 62.455,64.43 37.545,64.43 37.545,49.57

## Dimensions
93.98,71.755 to 95.25,-26.289 on Mechanical 5
91.011,69.884 to 91,0 on Mechanical 5
5,66.2 to 4.941,63.8 on Mechanical 5
0,60.833 to 100,60.895 on Mechanical 5

## Text inside footprints (layer, text, board x,y; h text height)
B1: Top Overlay "-" at 11.978,19.654 h1.14 r270; Top Overlay "+" at 12.703,12.934 h1.14 r45
U4: Mechanical 15 "AI" at 30.312,-1.696 h1.2 r73
U5: Mechanical 15 "AI" at 80.312,-1.696 h1.2 r73
X1: Top Overlay "*" at 56.437,29.718 h1.52 r270
X3: Top Overlay "*" at 36.195,59.563 h1.52
X4: Top Overlay "*" at 81.153,-11.557 h1.52 r270